# Altium PCB Proyecto0.PcbDoc (part 2 of 5)
Units mm, origin at the board's own origin, x right, y up, seen from the top; angles counter-clockwise.
Board outline 65 x 45 mm, 10 copper layers (TOP, GND[1], VDD[1], Signal[1], GND[2], VDD[2], Signal[2], GND[3], VDD[3], BOT), stack 2.029 mm thick; 188 components, 257 nets, 1107 pads, 1099 vias.
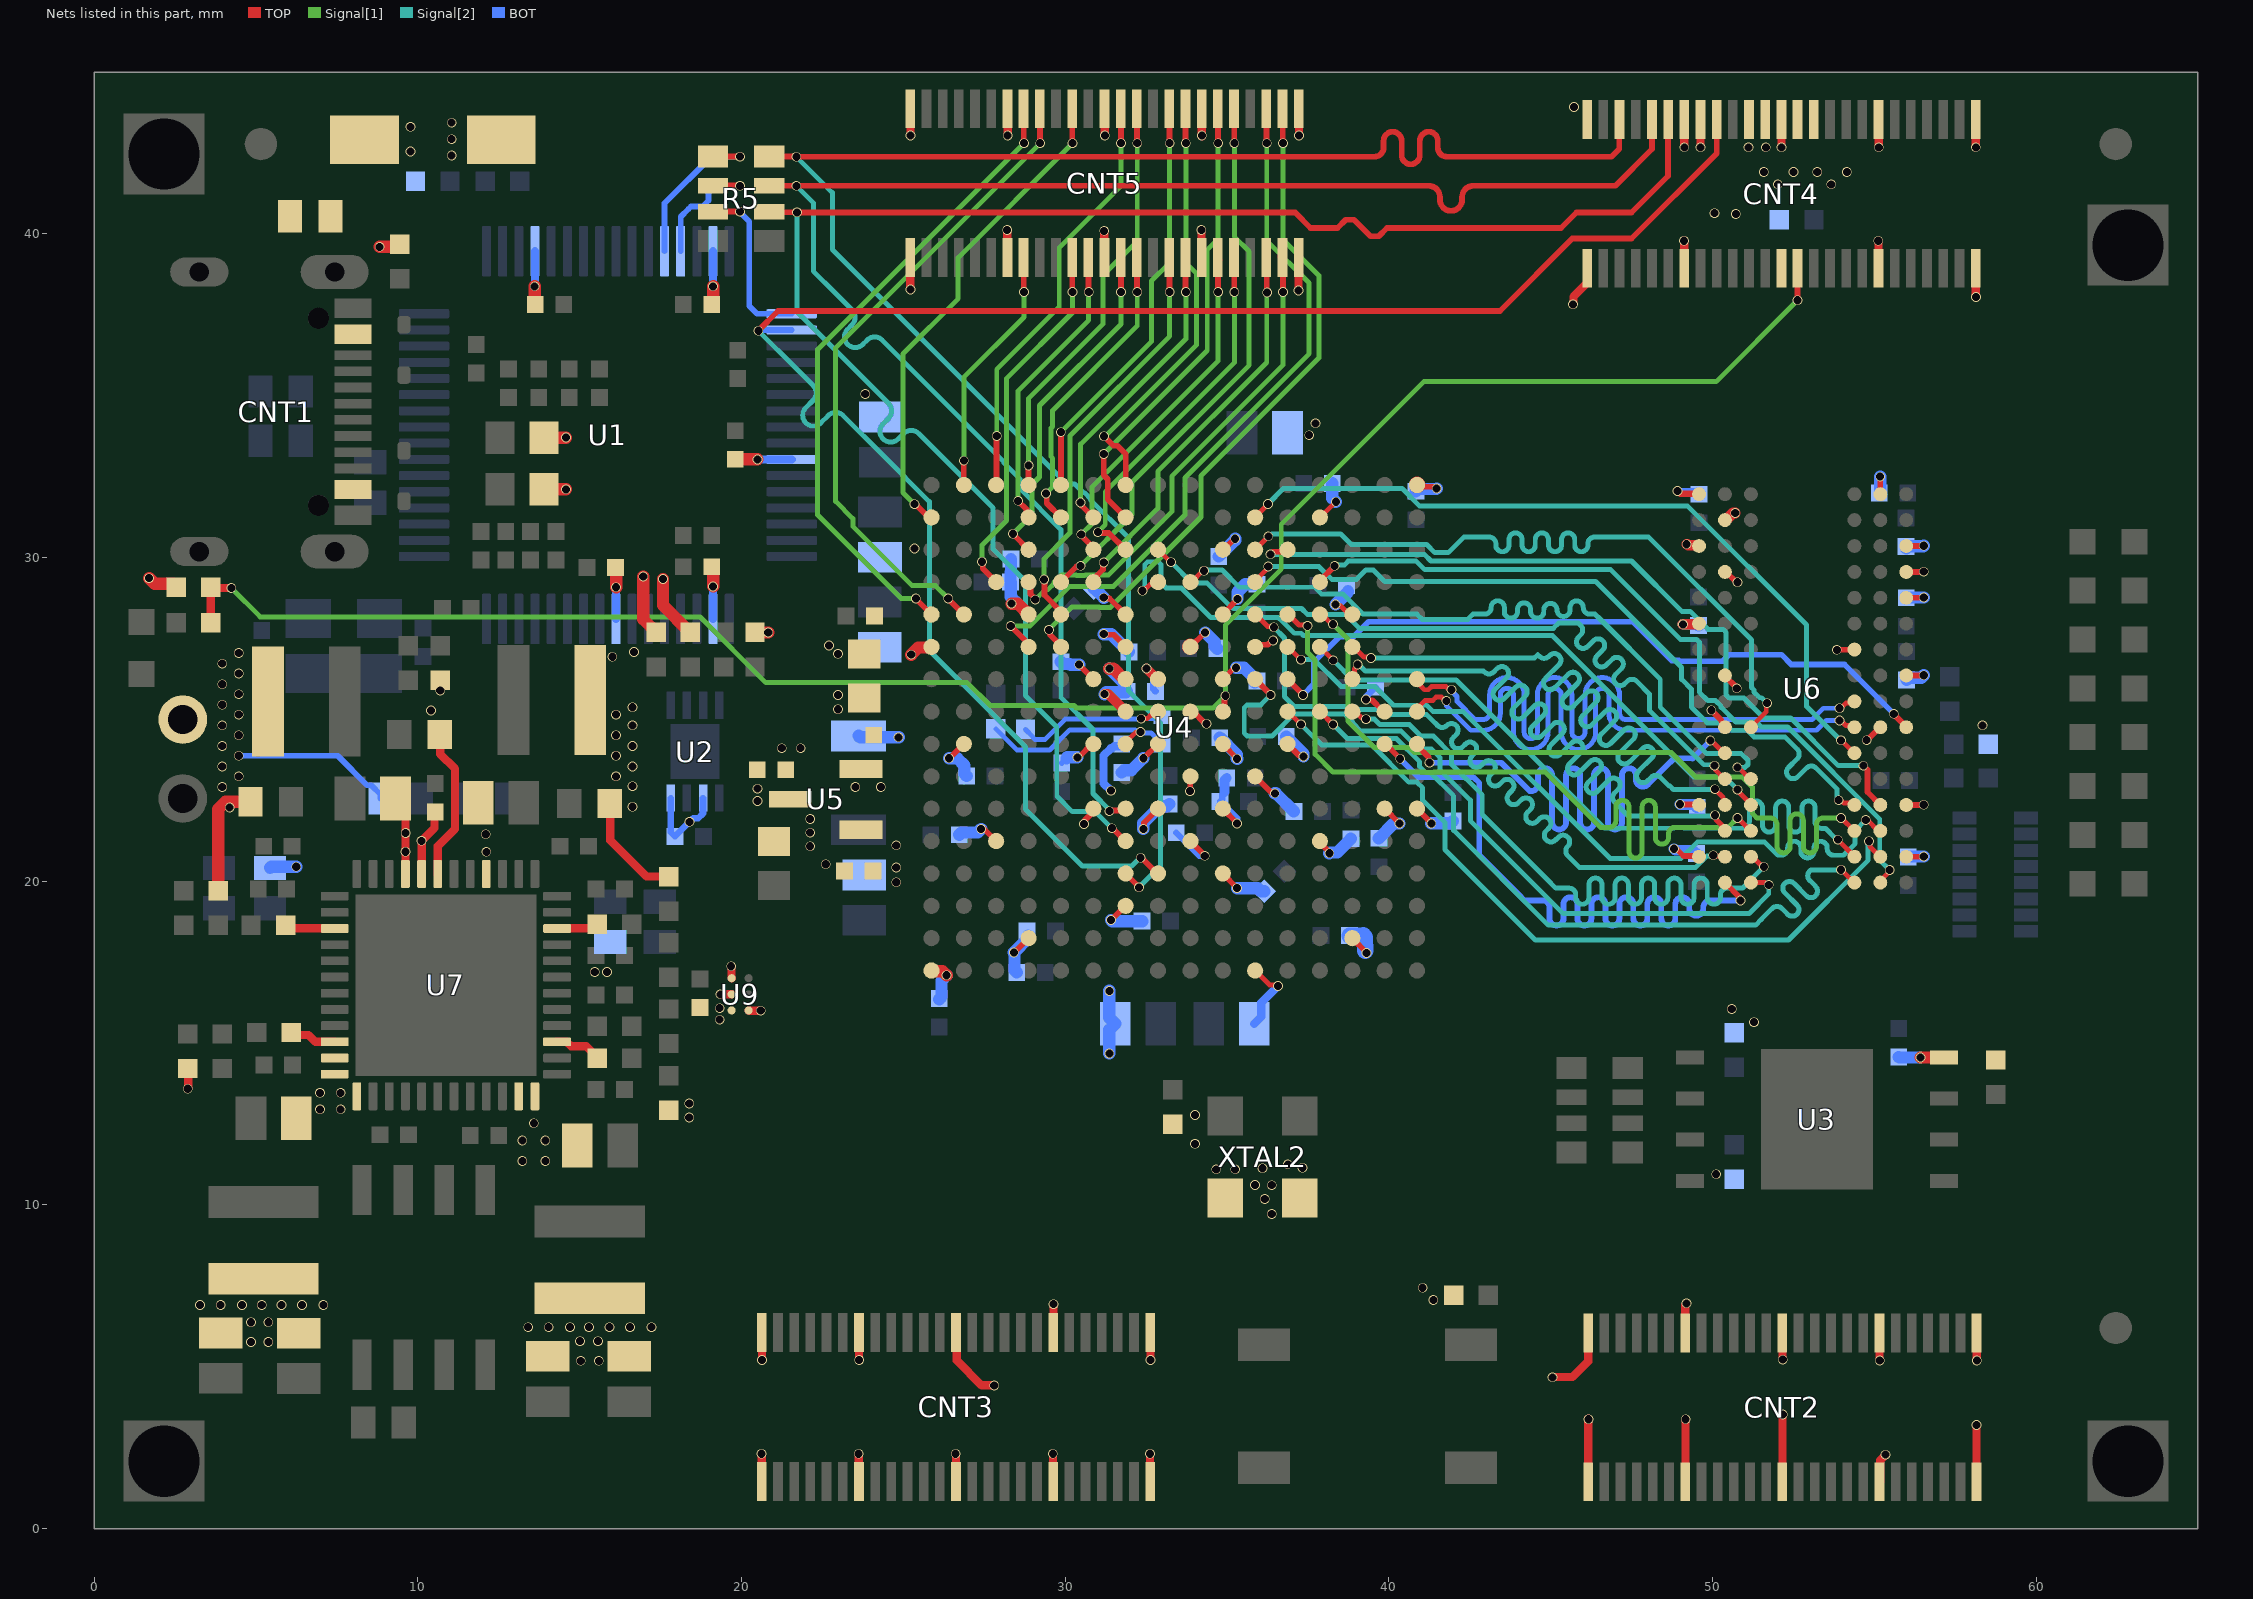
[diagram p10: the nets of this part, all layers, seen from the top]

## Via types
v1: diameter 0.3, hole 0.25, TOP to BOT, tented both sides, 1081 vias
v2: diameter 0.3, hole 0.25, TOP to BOT, 18 vias

## Nets (pads, with @x,y where several pads share a name; then routed paths per layer and width w, separated by ;. In a path a pad name is that pad's centre, name@x,y a point inside that pad or via, vN(x,y) a via of type N, cw(c..) or ccw(c..) an arc to the next point about the centre after c; other vN are vias at no path point) (continued)
+1V: C55.2 C56.2 C57.2 C58.2 C59.2 C60.2 C61.2 C62.2 C89.2 C90.2 L6.2 R26.2 R34.2 U4.E10 U4.F7 U4.F9 U4.F11 U4.G6 U4.H9 U4.J6 U4.K9 U4.L8 | length 12.8
  TOP w0.178: v1(30.381,23.827) 30.414,23.827 30.855,24.268 U4.J6@30.871,24.268 ; v1(30.434,26.69) 30.434,26.685 30.873,26.246 U4.G6@30.873,26.241 ; v1(31.194,27.635) 31.218,27.612 31.502,27.612 31.868,27.246 U4.F7@31.873,27.246 ; v1(32.417,21.611) 32.44,21.635 32.44,21.808 32.868,22.236 U4.L8@32.868,22.241 ; v1(33.858,22.784) 33.865,22.791 33.865,23.229 U4.K9@33.873,23.236 ; U4.H9@33.878,25.241 33.959,25.241 34.333,24.867 v1(34.366,24.867) ; U4.F9@33.878,27.241 v1@34.319,27.683 ; U4.E10@34.878,28.241 34.878,28.26 35.329,28.711 v1(35.329,28.725) ; U4.F11@35.878,27.241 35.939,27.303 36.261,27.303 36.396,27.437 v1(36.429,27.437)
  TOP w0.254: v1(2.896,13.589) 2.896,13.601 2.912,13.618 2.912,14.198 R34.2@2.896,14.214
  BOT w0.178: C59.2@29.896,23.656 C59.2@30.043,23.803
  BOT w0.381: C60.2@23.622,24.49 23.667,24.445 v1(24.857,24.445) ; C58.2@29.87,26.78 29.94,26.71 30.145,26.71 30.166,26.69 v1(30.434,26.69) ; C59.2@30.043,23.803 30.067,23.827 v1(30.381,23.827) ; v1(31.194,27.635) 31.422,27.635 C56.2@31.972,27.085 ; v1(32.417,21.611) 32.417,21.8 32.933,22.317 33.147,22.317 C57.2@33.216,22.386 ; v1(34.329,27.683) 34.628,27.383 34.628,27.256 C55.2@34.698,27.187 ; v1(35.329,28.725) 35.329,28.936 35.563,29.17 35.928,29.17 C61.2@35.934,29.176
  other v1: 4.851,5.766 5.385,5.766 4.851,6.375 5.385,6.375 3.277,6.909 3.912,6.909 4.572,6.909 5.182,6.909 5.791,6.909 6.426,6.909 7.087,6.909 15.469,17.196 15.85,17.196 23.825,35.052
+1V8: C63.2 C64.2 C65.2 C66.2 C67.2 C68.2 C94.2 C100.2 CNT4.33 CNT4.36 CNT4.37 L7.2 R27.2 R38.2 U4.G10 U4.J10 U4.K11 U4.L10 U7.8 U9.A2 | length 15.6
  TOP w0.178: U4.L10@34.873,22.236 v1@35.314,21.795 ; U4.J10@34.873,24.236 v1@35.314,23.795 ; U4.G10@34.878,26.241 34.878,26.249 35.199,26.57 35.257,26.57 v1(35.281,26.594) ; U4.K11@35.873,23.236 36.369,22.74 36.457,22.74 v1(36.48,22.716)
  TOP w0.254: v1(10.118,21.248) 10.519,21.648 10.519,22.118 C100.2@10.541,22.141 ; U7.8@10.121,20.224 10.128,20.231 v1@10.128,21.248 ; L7.2@15.333,24.393 L7.2@15.333,25.603 ; C94.2@15.931,22.403 15.951,22.383 15.951,21.26 17.069,20.142 R38.2@17.755,20.142 ; v1(19.351,16.506) U9.A2@19.699,16.506 ; v1(49.632,42.672) CNT4.33@49.631,43.535
  BOT w0.203: 34.923,22.755 34.861,22.692 34.861,22.532 C63.2@34.791,22.462 35.314,21.939 v1(35.314,21.785)
  BOT w0.305: 34.923,22.755 34.923,23.121 C64.2@34.993,23.19
  BOT w0.381: R27.2@5.436,20.412 5.471,20.447 v1(6.248,20.447) ; C67.2@34.781,24.435 35.305,23.91 35.305,23.794 v1(35.314,23.785) ; v1(35.281,26.594) 35.526,26.594 35.863,26.257 C65.2@35.863,26.151 ; v1(36.48,22.716) 36.51,22.716 C66.2@37.069,22.158
  other v1: 16.637,22.301 16.637,22.936 16.129,23.241 16.637,23.546 16.129,23.876 16.637,24.181 16.129,24.511 16.637,24.816 16.129,25.146 16.637,25.375 16.013,26.935 16.683,27.085 25.349,30.277 51.114,42.672 51.648,42.672
+1V8': C36.2 C98.2 L3.1 R44.2 U7.7 | length 4.7
  TOP w0.254: U7.7@10.621,20.224 10.621,21.086 11.151,21.615 11.151,23.477 10.693,23.935 C98.2@10.693,24.536
  other v1: 10.414,25.273 10.696,25.893 22.987,27.026 22.708,27.28
+1V8_VCC_ADC: C37.2 C38.2 L3.2 U4.G8 | length 1.3
  TOP w0.305: v1(32.514,26.57) 32.794,26.29 32.824,26.29 U4.G8@32.873,26.241
  BOT w0.203: v1(32.514,26.57) 32.723,26.362 32.723,25.935 C38.2@32.793,25.866
  other v1: 22.988,25.313 22.988,25.756
+1V25_VREF_ADC: C52.2 C53.2 CNT4.40 U4.J8 U5.2 | length 1.5
  TOP w0.178: v1@32.426,23.8 U4.J8@32.868,24.241
  BOT w0.381: C53.2@31.75,23.36 31.819,23.429 32.046,23.429 v1(32.417,23.8)
  other v1: 23.52,22.911 24.308,22.911 21.246,24.11 21.83,24.11 53.67,41.529 53.238,41.91 54.153,41.91
+1V35: C39.2 C40.2 C41.2 C42.2 C43.2 C44.2 C45.2 C69.2 C70.2 C71.2 C72.2 C73.2 C74.2 C75.2 C76.2 C77.2 C97.2 L8.2 R22.2 R25.2 R41.2 U4.A16 U4.B13 U4.C10 U4.E14 U4.H15 U4.J12 U6.A1 U6.A8 U6.B2 U6.C1 U6.C9 U6.D2 U6.D9 U6.E9 U6.F1 U6.G7 U6.H2 U6.H9 U6.K2 U6.K8 U6.N1 U6.N9 U6.R1 U6.R9 | length 33.5
  TOP w0.152: U4.B13@37.879,31.241 v1@38.36,31.723 ; v1(38.354,28.548) 38.382,28.519 38.5,28.519 38.779,28.241 U4.E14@38.873,28.241
  TOP w0.178: U4.C10@34.878,30.241 34.894,30.241 35.234,30.582 v1(35.255,30.582) ; U4.J12@36.873,24.236 37.233,23.876 37.34,23.876 v1(37.363,23.853) ; v1(39.294,25.614) 39.317,25.591 39.491,25.591 39.779,25.303 U4.H15@39.811,25.303 ; U4.A16@40.873,32.242 40.928,32.187 41.389,32.187 41.445,32.131 v1(41.478,32.131) ; v1(48.81,21.004) 48.843,21.004 48.866,20.98 48.903,20.98 49.105,20.778 49.565,20.778 U6.R1@49.586,20.757 ; v1(48.997,22.377) 49.007,22.367 49.576,22.367 U6.N1@49.586,22.357 ; v1(49.964,25.281) 50.275,24.971 50.275,24.937 50.386,24.825 U6.K2@50.386,24.757 ; U6.H2@50.381,26.357 50.381,26.344 50.749,25.977 v1(50.749,25.959) ; U6.D2@50.386,29.557 50.42,29.557 50.741,29.235 v1(50.775,29.235) ; U6.B2@50.386,31.157 U6.B2@50.411,31.157 ; v1(53.842,27.147) 53.847,27.152 54.382,27.152 U6.G7@54.386,27.157 ; v1(54.762,24.359) 54.775,24.359 55.174,24.757 U6.K8@55.186,24.757 ; v1(55.18,32.498) 55.186,32.491 U6.A8@55.186,31.957 ; U6.R9@55.986,20.757 56.521,20.757 v1(56.527,20.763) ; U6.N9@55.986,22.357 56.521,22.357 v1(56.527,22.363) ; U6.H9@55.986,26.357 56.521,26.357 v1(56.527,26.363) ; U6.E9@55.986,28.757 56.521,28.757 v1(56.527,28.763) ; U6.D9@55.986,29.557 56.521,29.557 v1(56.527,29.563) ; U6.C9@55.986,30.357 56.521,30.357 v1(56.527,30.363)
  TOP w0.203: v1(48.92,32.055) 48.999,31.976 49.567,31.976 U6.A1@49.586,31.957
  TOP w0.33: v1(49.09,27.937) 49.567,27.938 U6.F1@49.586,27.957 ; v1(49.202,30.412) 49.217,30.412 49.253,30.376 49.567,30.376 U6.C1@49.586,30.357 ; U6.B2@50.406,31.163 50.419,31.163 50.634,31.377 v1(50.704,31.377)
  TOP w0.381: R41.2@3.835,19.71 3.835,22.225 4.064,22.454 C97.2@4.836,22.454 ; L8.2@5.077,24.049 5.377,24.349 L8.2@5.377,25.559
  BOT w0.178: v1(4.47,23.876) 7.528,23.876 8.438,22.966 8.563,22.966 8.849,22.68 R25.2@8.849,22.555
  BOT w0.203: v1(39.294,25.614) 39.312,25.632 39.312,25.713 C39.2@39.592,25.993 ; v1(48.92,32.055) 48.925,32.05 49.494,32.05 C72.2@49.586,31.957
  BOT w0.33: v1(48.81,21.004) 48.857,20.956 49.41,20.956 C74.2@49.505,20.862 ; v1(48.997,22.377) 49.003,22.371 49.435,22.371 49.505,22.301 C69.2@49.505,22.276 ; v1(49.09,27.937) 49.534,27.937 C76.2@49.568,27.903
  BOT w0.381: C44.2@34.747,30.031 35.255,30.539 v1(35.255,30.582) ; C40.2@36.831,24.469 37.363,23.937 v1(37.363,23.853) ; C43.2@38.254,32.292 38.252,32.291 38.252,31.837 v1(38.366,31.723) ; v1(38.354,28.548) 38.74,28.934 C41.2@38.74,28.96 ; C42.2@40.836,32.046 40.906,32.116 41.463,32.116 v1(41.478,32.131) ; C76.2@49.568,27.903 C76.2@49.573,27.898 ; C75.2@55.18,31.963 v1(55.18,32.498) ; C70.2@55.986,30.277 56.056,30.347 56.51,30.347 v1(56.527,30.363) ; C77.2@55.993,28.763 v1(56.527,28.763) ; C73.2@55.999,26.222 56.069,26.291 56.455,26.291 v1(56.527,26.363) ; C71.2@56.05,20.752 56.062,20.763 v1(56.527,20.763)
  other v1: 4.191,22.276 3.962,22.911 4.47,23.241 3.962,23.546 3.962,24.181 4.47,24.511 3.962,24.816 58.344,24.816 4.47,25.146 3.962,25.451 4.47,25.781 3.962,26.086 4.47,26.416 3.962,26.721 4.47,27.051 37.541,33.782 37.737,34.145
+3V3: C9.2 C10.2 C11.2 C12.2 C17.2 C20.2 C21.2 C22.2 C23.2 C24.2 C25.2 C26.2 C27.2 C28.2 C29.2 C30.2 C31.2 C32.2 C33.2 C34.2 C35.2 C51.2 C85.2 C86.2 C102.1 CNT2.7 CNT2.13 CNT2.19 CNT2.25 CNT2.26 CNT2.32 CNT2.38 CNT2.44 CNT3.7 CNT3.13 CNT3.19 CNT3.25 CNT3.26 CNT3.32 CNT3.38 CNT3.44 CNT4.7 CNT4.13 CNT4.19 CNT4.25 CNT4.26 CNT4.32 CNT4.38 CNT4.44 CNT5.7 CNT5.13 CNT5.19 CNT5.25 CNT5.26 CNT5.32 CNT5.38 CNT5.44 L1.1 L2.1 L5.2 R6.1 R7.2 R8.2 R9.2 R12.2 R13.2 R14.2 R16.2 R18.2 R19.2 R31.2 R48.2 U1.20 U1.31 U1.42 U1.50 U1.56 U2.6 U2.8 U3.8 U4.E4 U4.E7 U4.F1 U4.J2 U4.L6 U4.L15 U4.L16 U4.M9 U4.M13 U4.N10 U4.P7 U4.R14 U4.T11 U5.1 U9.A1 U9.A3 XTAL2.1 XTAL2.4 | length 72.5
  TOP w0.152: U4.T11@35.873,17.241 36.322,16.792 36.573,16.792 v2@36.601,16.764 ; CNT2.44@49.16,1.448 CNT2.44@49.165,1.453 ; v1@49.165,3.373 v1(49.171,3.378)
  TOP w0.178: v1@26.426,23.8 U4.J2@26.868,24.241 ; v1(30.582,21.768) 30.605,21.791 30.605,21.886 30.868,22.149 U4.L6@30.868,22.241 ; v1(31.194,28.762) 31.218,28.738 31.376,28.738 31.868,28.246 U4.E7@31.873,28.246 ; v1@31.426,18.8 U4.P7@31.868,19.241 ; R18.2@33.325,12.405 R18.2@33.343,12.387 ; U4.M9@33.873,21.236 v1@34.314,20.795 ; U4.N10@34.873,20.236 v1@35.314,19.795 ; U4.M13@37.873,21.236 37.873,21.189 38.163,20.899 v1(38.163,20.866) ; U4.R14@38.873,18.236 v1@39.314,17.795 ; U4.L15@39.873,22.236 39.88,22.236 40.331,21.785 v1(40.333,21.785) ; U4.L16@40.873,22.236 v1@41.314,21.795
  TOP w0.254: v1(19.685,17.374) 19.694,17.365 19.694,17.009 U9.A3@19.699,17.004 ; C11.2@19.812,33.037 C11.2@19.816,33.041 ; v1@23.623,2.313 v1@23.627,2.309 ; v1@23.627,2.307 23.627,1.463 CNT3.44@23.631,1.459 ; CNT3.7@23.631,6.059 23.635,6.055 23.635,5.211 v1(23.639,5.207) ; CNT5.25@25.218,39.266 25.22,39.264 25.22,38.28 v1(25.222,38.278) ; CNT5.26@25.218,43.866 25.226,43.858 v1(25.226,43.039) ; v1@26.621,2.314 v1@26.626,2.309 ; v1@26.626,2.281 26.626,1.465 CNT3.38@26.631,1.459 ; CNT3.13@26.631,6.059 26.654,6.036 26.654,5.197 27.423,4.428 27.804,4.428 v1(27.813,4.42) ; v1(28.21,40.118) 28.214,40.114 28.214,39.27 CNT5.19@28.218,39.266 ; CNT5.32@28.218,43.866 28.226,43.858 v1(28.226,43.039) ; v1@29.623,2.313 v1@29.627,2.309 ; v1@29.627,2.307 29.627,1.463 CNT3.32@29.631,1.459 ; CNT3.19@29.631,6.059 29.642,6.07 v1(29.642,6.934) ; v1(31.207,40.093) 31.213,40.087 31.213,39.271 CNT5.13@31.218,39.266 ; CNT5.38@31.218,43.866 31.223,43.86 31.223,43.044 v1(31.229,43.039) ; v1@32.623,2.313 v1@32.627,2.309 ; v1@32.627,2.307 32.627,1.463 CNT3.26@32.631,1.459 ; CNT3.25@32.631,6.059 32.635,6.055 32.635,5.211 v1(32.639,5.207) ; v1(34.21,40.118) 34.214,40.114 34.214,39.27 CNT5.7@34.218,39.266 ; CNT5.44@34.218,43.866 34.222,43.862 34.222,43.018 v1@34.226,43.014 ; v1(45.695,37.821) 45.703,37.829 45.703,38.059 46.13,38.486 CNT4.25@46.13,38.936 ; v1(49.122,39.788) 49.126,39.784 49.126,38.94 CNT4.19@49.13,38.936 ; v1(49.132,42.672) CNT4.32@49.13,43.536 ; CNT2.7@49.16,6.048 49.16,6.907 49.2,6.947 v1(49.2,6.96) ; CNT2.44@49.165,1.453 v1@49.165,3.373 ; v1(52.132,42.672) CNT4.38@52.13,43.536 ; CNT2.38@52.16,1.448 52.166,1.454 52.166,3.525 v1@52.172,3.531 ; CNT2.13@52.16,6.048 52.165,6.042 52.165,5.226 v1(52.171,5.221) ; v1(55.122,39.788) 55.126,39.784 55.126,38.94 CNT4.7@55.13,38.936 ; CNT4.44@55.13,43.536 55.134,43.532 v1@55.134,42.687 ; v1@55.134,42.674 v1@55.138,42.67 ; CNT2.32@55.16,1.448 55.183,1.471 55.183,2.109 55.345,2.271 v1(55.345,2.284) ; CNT2.19@55.16,6.048 55.164,6.044 55.164,5.2 v1(55.168,5.196) ; CNT2.26@58.159,1.448 58.159,3.197 v1(58.158,3.203) ; CNT2.25@58.16,6.048 58.164,6.044 58.164,5.2 v1(58.168,5.196)
  TOP w0.381: v1(1.702,29.362) 1.872,29.192 2.43,29.192 R16.2@2.54,29.083 ; v1(8.824,39.598) 9.372,39.598 R6.1@9.449,39.675 ; v1(13.614,38.379) 13.614,37.838 C10.2@13.632,37.821 ; L1.1@13.898,32.106 v1(14.58,32.106) ; L2.1@13.898,33.706 v1(14.58,33.706) ; C9.2@16.112,29.693 16.129,29.675 v1(16.129,29.083) ; v1(16.967,29.413) 16.967,28.092 R9.2@17.374,27.686 ; v1(17.577,29.337) 17.577,28.524 R8.2@18.415,27.686 ; C17.2@19.084,29.718 19.126,29.675 v1(19.126,29.108) ; C12.2@19.084,37.846 19.126,37.889 v1(19.126,38.379) ; C11.2@19.812,33.037 20.49,33.037 v1(20.495,33.032) ; R7.2@20.422,27.686 v1(20.83,27.686) ; v1(25.248,27) 25.466,27.218 25.85,27.218 U4.F1@25.873,27.241 ; v1(28.346,28.575) 28.539,28.575 U4.E4@28.873,28.241 ; v1(56.427,14.554) U3.8@57.137,14.554
  BOT w0.203: U2.8@17.817,22.568 17.82,22.565 17.82,21.516 C20.2@17.95,21.387 v1(18.398,21.835) 18.508,21.946 18.666,21.946 18.814,22.094 18.814,22.565 U2.6@18.817,22.568 ; C30.2@33.437,21.497 34.149,20.785 v1(34.314,20.785)
  BOT w0.254: v1(13.614,38.379) 13.62,38.385 13.62,39.457 U1.20@13.625,39.462 ; U1.56@16.125,28.102 16.127,28.104 16.127,29.081 v1(16.129,29.083) ; U1.50@19.125,28.102 U1.50@19.125,28.102 v1(19.126,29.108) ; v1(19.126,38.379) U1.31@19.125,39.462 ; v1(20.495,33.032) U1.42@21.555,33.032 ; C34.2@35.842,15.596 36.063,15.817 36.063,16.251 v2(36.576,16.764)
  BOT w0.381: v1(26.417,23.8) 26.667,23.8 26.89,23.577 26.89,23.319 C26.2@26.96,23.25 ; C24.2@28.313,29.241 C23.2@28.331,29.955 ; C24.2@28.319,29.24 28.319,29.235 28.319,28.793 v1@28.477,28.634 ; C31.2@30.886,29.047 30.909,29.047 v1(31.194,28.762) ; v1(31.369,14.681) 31.369,15.411 C35.2@31.554,15.596 31.369,15.78 v1(31.369,16.612) ; v1(31.417,18.8) 31.453,18.763 32.311,18.763 32.314,18.767 C22.2@32.38,18.767 ; v1(35.314,19.785) 35.961,19.785 36.058,19.687 C25.2@36.156,19.687 ; v1(38.163,20.866) 38.187,20.89 38.409,20.89 C32.2@38.83,21.311 ; C33.2@39.693,21.328 40.151,21.785 v1(40.333,21.785) ; v1(41.314,21.785) 41.321,21.792 41.91,21.792 C28.2@41.979,21.862 ; C21.2@55.753,14.571 55.77,14.554 v1(56.427,14.554)
  BOT w0.508: C29.2@38.787,18.322 39.208,18.325 39.265,18.269 v1@39.268,17.848
  other v1: 23.623,2.311 26.621,2.311 29.623,2.311 32.623,2.311 52.172,3.528 15.037,5.182 15.596,5.182 15.011,5.791 15.57,5.791 13.411,6.223 14.046,6.223 14.707,6.223 15.291,6.223 15.926,6.223 16.561,6.223 17.221,6.223 41.377,7.061 41.046,7.442 36.384,9.722 36.17,10.185 36.384,10.611 35.865,10.617 50.114,10.947 34.671,11.1 35.255,11.1 36.101,11.132 37.335,11.149 36.881,11.252 34.011,11.887 18.39,12.7 34.011,12.776 18.39,13.132 51.283,15.646 19.329,15.723 50.597,16.053 19.329,16.078 39.314,17.785 24.784,21.107 50.724,40.615 50.063,40.64 55.138,42.672 34.226,43.039 45.72,43.917
+3V3/+1V8: C46.2 C47.2 C48.2 C49.2 C50.2 U4.M3 U4.R4 U4.T1 U9.B1 | length 5.1
  TOP w0.178: v1(27.407,21.615) 27.498,21.615 U4.M3@27.873,21.241 ; v1@28.426,17.8 U4.R4@28.868,18.241
  TOP w0.254: U9.B1@20.224,15.998 20.596,15.998 v1(20.599,16.002)
  TOP w0.381: U4.T1@25.873,17.241 25.896,17.218 26.216,17.218 v1(26.34,17.094)
  BOT w0.381: C46.2@26.111,16.358 26.181,16.427 26.181,16.935 v1(26.34,17.094) ; C49.2@26.729,21.438 26.798,21.507 27.298,21.507 v1(27.407,21.615) ; C47.2@28.509,17.179 28.44,17.249 28.44,17.777 v1(28.417,17.8) 28.854,18.238 C48.2@28.854,18.313
  other v1: 24.784,19.97 24.784,20.422
+5V: C80.2 C81.2 C82.2 C83.2 CNT2.1 CNT2.50 CNT3.1 CNT3.50 CNT4.1 CNT4.50 CNT5.1 CNT5.50 pad.Supply+@2.743,24.994 S1.C U7.4 U7.9 U7.23 U7.24 U7.25 U7.35 U7.36 | length 12.3
  TOP w0.254: C83.2@9.311,22.555 9.621,22.245 v1(9.621,20.909) U7.9@9.621,20.224 ; C82.2@11.873,22.428 C82.2@12.121,22.18 ; v1@20.623,2.313 v1(20.623,2.311) 20.627,2.307 20.627,1.463 CNT3.50@20.631,1.459 ; CNT3.1@20.631,6.059 20.635,6.055 20.635,5.211 v1(20.639,5.207) ; v1(37.211,38.252) 37.214,38.256 37.214,39.262 CNT5.1@37.218,39.266 ; CNT5.50@37.218,43.866 37.226,43.858 v1(37.226,43.039) ; v1(45.06,4.674) 45.068,4.682 45.678,4.682 46.16,5.164 CNT2.1@46.16,6.048 ; CNT2.50@46.16,1.448 46.165,1.453 v1@46.165,3.404 ; CNT4.1@58.13,38.936 58.135,38.93 58.135,38.054 v1(58.141,38.049) ; CNT4.50@58.13,43.536 58.134,43.532 v1@58.134,42.687 ; v1@58.134,42.674 v1@58.138,42.67
  other v1: 46.171,3.378 13.233,11.354 13.945,11.354 13.233,11.989 13.945,11.989 13.589,12.522 6.985,12.954 7.62,12.954 6.985,13.462 7.62,13.462 12.12,20.909 12.102,21.451 9.627,21.488 11.049,42.418 58.138,42.672 11.049,42.926 11.049,43.434
A2: CNT5.39 U4.A3 | length 13.2
  TOP w0.178: U4.A3@27.873,32.241 27.881,32.249 27.881,33.748 v1(27.889,33.757) ; CNT5.39@31.724,43.86 31.724,42.808 v1(31.73,42.802)
  Signal[1] w0.152: v1(27.889,33.757) 27.889,35.814 29.82,37.744 29.82,39.573 31.73,41.484 v1(31.73,42.802)
A3: CNT5.45 U4.B7 | length 14.4
  TOP w0.178: v1(31.194,33.198) 31.194,32.542 31.318,32.418 31.318,31.796 U4.B7@31.873,31.241 ; CNT5.45@34.724,43.86 34.724,42.808 v1(34.73,42.802)
  Signal[1] w0.152: v1(31.194,33.198) 34.392,36.395 34.392,39.512 34.73,39.851 v1(34.73,42.802)
A4: CNT5.6 U4.C6 | length 11
  TOP w0.152: CNT5.6@34.718,39.266 34.724,39.26 CNT5.6@34.792,39.192
  TOP w0.178: v1(30.5,30.716) 30.5,30.683 30.873,30.31 U4.C6@30.873,30.241 ; CNT5.6@34.724,39.26 34.724,38.208 v1(34.73,38.202)
  Signal[1] w0.152: v1(30.5,30.716) 30.836,31.052 30.836,32.182 34.73,36.076 v1(34.73,38.202)
A5: CNT5.5 U4.C7 | length 11.4
  TOP w0.152: CNT5.5@35.144,39.192 CNT5.5@35.218,39.266
  TOP w0.178: v1(31.013,30.785) 31.037,30.761 31.352,30.761 U4.C7@31.873,30.241 ; CNT5.5@35.224,39.26 35.224,38.208 v1(35.23,38.202)
  Signal[1] w0.152: v1(31.013,30.785) 31.242,31.013 31.242,32.029 35.23,36.018 v1(35.23,38.202)
A7: CNT5.3 U4.D6 | length 12
  TOP w0.178: U4.D6@30.873,29.241 30.873,29.328 31.171,29.626 31.171,29.822 v1(31.194,29.845) ; v1(36.243,38.188) 36.231,38.201 36.231,38.974 CNT5.3@36.271,39.014
  Signal[1] w0.152: v1(31.194,29.845) 32.868,31.518 32.868,32.664 36.23,36.027 36.23,38.175 v1(36.243,38.188)
ADC_IN_N: C54.1 R21.1 U4.J7 | length 6.3
  TOP w0.152: U4.J7@31.873,24.241 31.873,24.29 v1@32.18,24.597
  BOT w0.152: R21.1@27.863,24.708 28.518,24.052 29.521,24.052 30.146,24.678 32.161,24.678 32.2,24.639 32.299,24.639 v1(32.327,24.61) 32.356,24.582 32.653,24.582 C54.1@32.995,24.241
ADC_IN_P: C54.2 R20.1 U4.H8 | length 5.3
  TOP w0.152: v1(32.352,25.024) 32.534,25.024 32.626,25.116 32.653,25.116 32.779,25.241 U4.H8@32.873,25.241
  BOT w0.152: R20.1@28.778,24.689 29.002,24.465 29.002,24.449 29.069,24.382 29.384,24.382 30.01,25.008 32.336,25.008 v1(32.352,25.024) 32.898,25.024 C54.2@32.995,25.121
ADD0: U4.D8 U6.N3 | length 23.7
  TOP w0.152: v1(32.392,28.974) 32.428,28.974 32.629,29.175 32.806,29.175 U4.D8@32.873,29.241 ; v1(50.773,22.83) 50.773,22.8 51.186,22.387 U6.N3@51.186,22.357
  Signal[2] w0.152: v1(32.392,28.974) 32.421,29.002 32.421,29.071 32.461,29.111 32.461,29.781 32.55,29.87 32.88,29.87 32.969,29.781 32.969,29.21 33.122,29.058 33.593,29.058 34.502,28.148 36.574,28.148 36.6,28.123 36.617,28.123 37.079,27.661 37.291,27.661 37.365,27.586 41.194,27.586 41.197,27.59 41.448,27.59 41.452,27.586 45.058,27.586 49.428,23.216 50.388,23.216 50.749,22.854 v1@50.749,22.835
ADD1: U4.E13 U6.P7 | length 25.1
  TOP w0.152: U4.E13@37.873,28.241 37.937,28.241 38.238,27.94 v1(38.278,27.94) ; v1(53.973,21.953) 53.979,21.953 54.375,21.557 U6.P7@54.386,21.557
  Signal[1] w0.152: v1(38.278,27.94) 38.735,27.483 38.735,24.943 39.548,24.13 40.64,24.13 40.792,23.978 48.729,23.978 49.493,23.214 50.929,23.214 51.232,22.911 51.232,22.098 51.308,22.022 51.377,21.953 51.791,21.953 cw(c51.791,21.75) 51.994,21.75 51.994,21.079 ccw(c52.197,21.079) 52.4,21.079 52.4,21.877 cw(c52.603,21.877) 52.807,21.877 52.807,21.079 ccw(c53.01,21.079) 53.213,21.079 53.213,21.75 cw(c53.416,21.75) 53.416,21.953 53.746,21.953 v1(53.973,21.953)
ADD2: U4.E12 U6.P3 | length 24.9
  TOP w0.152: U4.E12@36.873,28.241 36.902,28.241 37.226,27.917 37.462,27.917 v1(37.49,27.889) ; v1(50.773,21.953) 50.779,21.953 51.175,21.557 U6.P3@51.186,21.557
  Signal[1] w0.152: v1(37.49,27.889) 37.49,27.069 37.725,26.835 37.725,23.921 38.278,23.368 41.124,23.368 41.132,23.359 41.383,23.359 41.392,23.368 44.831,23.368 46.533,21.666 46.736,21.666 46.812,21.666 ccw(c46.812,21.869) 47.015,21.869 47.015,22.299 cw(c47.219,22.299) 47.422,22.299 47.422,20.921 ccw(c47.625,20.921) 47.828,20.921 47.828,22.299 cw(c48.031,22.299) 48.235,22.299 48.235,21.347 ccw(c48.438,21.347) 48.641,21.347 48.641,21.463 cw(c48.844,21.463) 48.844,21.666 50.419,21.666 50.487,21.666 v1(50.773,21.953)
ADD3: U4.F14 U6.N2 | length 23.5
  TOP w0.152: U4.F14@38.873,27.241 38.918,27.241 39.234,26.925 39.42,26.925 v1(39.448,26.897) ; v1(50.074,22.845) 50.333,22.586 50.333,22.41 U6.N2@50.386,22.357
  Signal[2] w0.152: v1(39.448,26.897) 44.499,26.897 44.602,27 44.656,26.946 ccw(c44.8,27.09) 44.944,26.946 44.97,26.973 cw(c45.114,26.829) 45.257,26.973 cw(c45.114,26.829) 45.257,26.685 44.838,26.266 ccw(c44.982,26.123) 44.838,25.979 ccw(c44.982,26.123) 45.126,25.979 45.545,26.398 cw(c45.688,26.254) 45.832,26.398 cw(c45.688,26.254) 45.832,26.111 45.413,25.692 ccw(c45.557,25.548) 45.413,25.404 ccw(c45.557,25.548) 45.701,25.404 46.119,25.823 cw(c46.263,25.679) 46.407,25.823 cw(c46.263,25.679) 46.407,25.536 45.988,25.117 ccw(c46.132,24.973) 45.988,24.83 ccw(c46.132,24.973) 46.275,24.83 46.694,25.248 cw(c46.838,25.105) 46.982,25.248 cw(c46.838,25.105) 46.982,24.961 46.563,24.542 ccw(c46.706,24.399) 46.563,24.255 ccw(c46.706,24.399) 46.85,24.255 47.269,24.674 cw(c47.413,24.53) 47.556,24.674 cw(c47.413,24.53) 47.556,24.386 47.137,23.967 ccw(c47.281,23.824) 47.137,23.68 ccw(c47.281,23.824) 47.425,23.68 47.844,24.099 cw(c47.987,23.955) 48.131,24.099 cw(c47.987,23.955) 48.131,23.812 47.712,23.393 ccw(c47.856,23.249) 47.712,23.105 ccw(c47.856,23.249) 48,23.105 48.105,23.211 cw(c48.248,23.067) 48.392,23.211 48.666,22.936 48.692,22.936 48.798,22.83 48.846,22.83 50.059,22.83 v1(50.074,22.845)